# Altium PCB linux-mem.pcbdoc (continued)
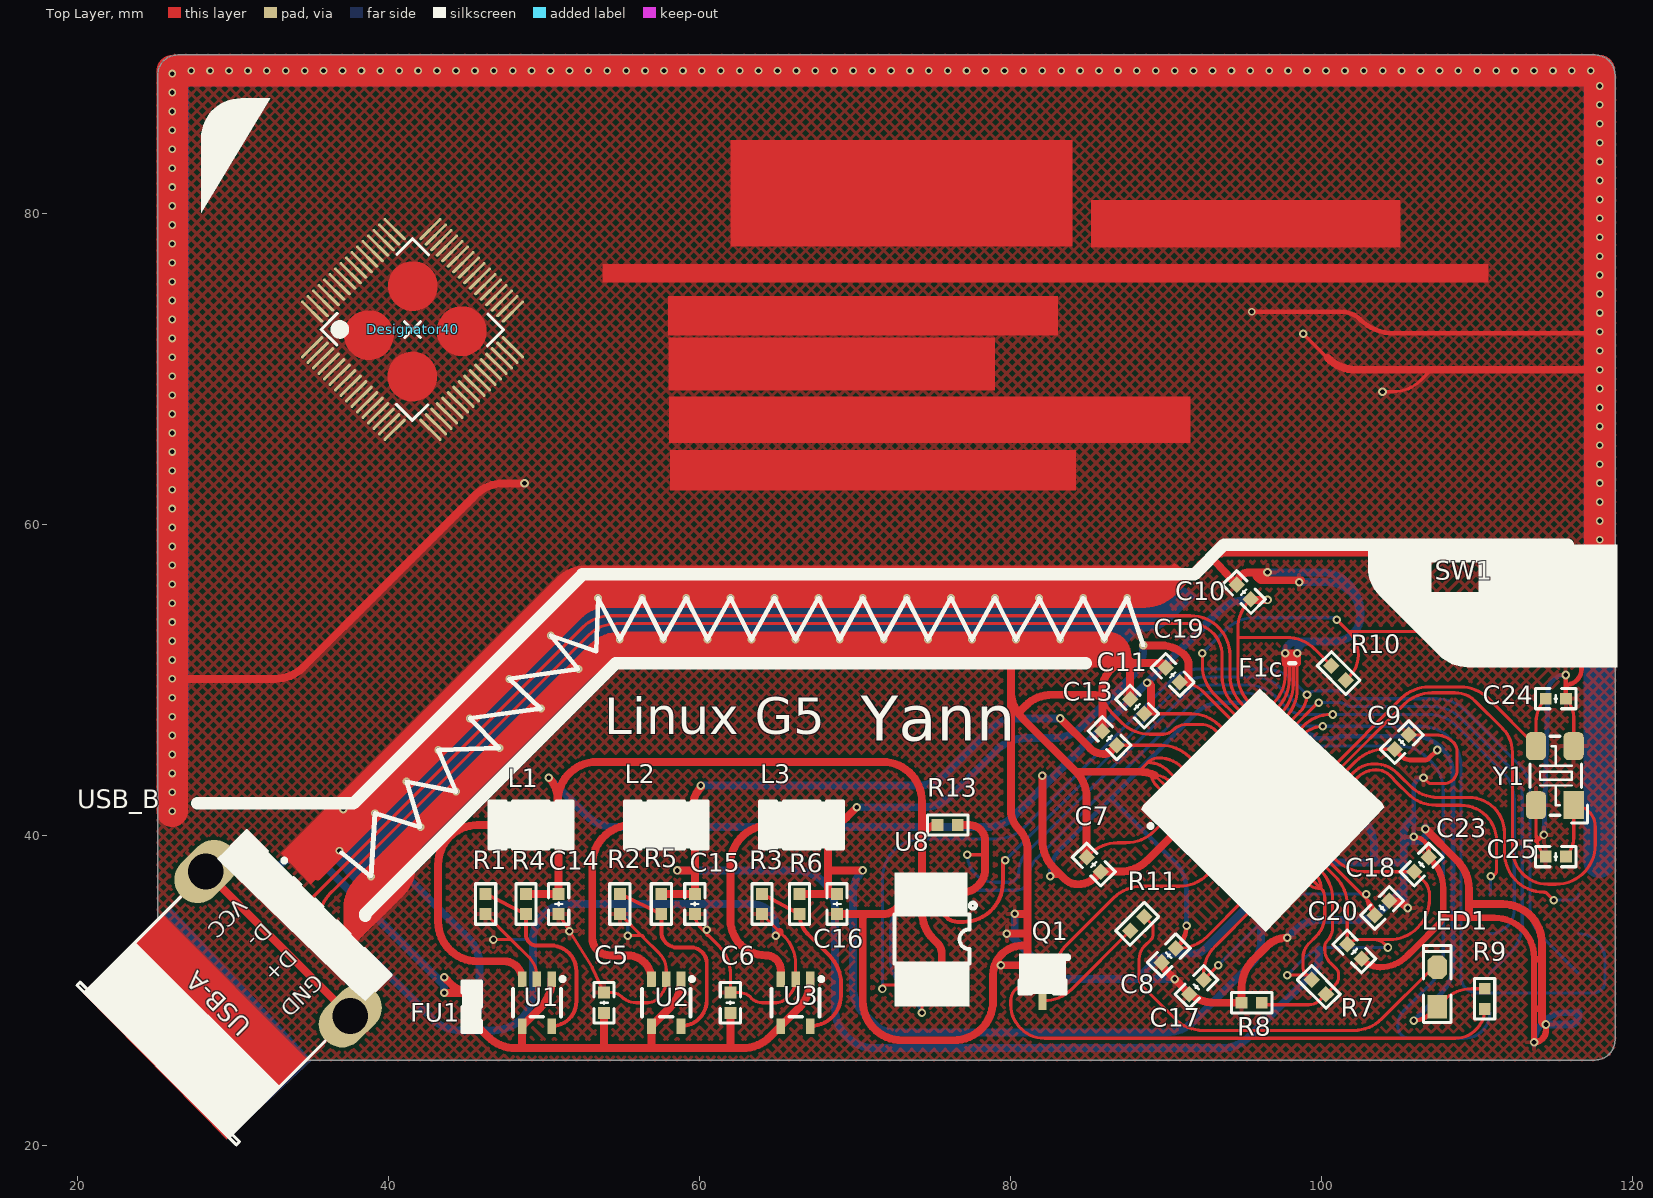
[diagram p0: Top Layer view]
## Nets (pads, with @x,y where several pads share a name; then routed paths per layer and width w, separated by ;. In a path a pad name is that pad's centre, name@x,y a point inside that pad or via, vN(x,y) a via of type N, cw(c..) or ccw(c..) an arc to the next point about the centre after c; other vN are vias at no path point) (continued)
  Top Layer w0.254: U8.4@73.025,36.195 U8.4
  Top Layer w0.305: v2(105.918,39.878) cw(c105.918,38.91) 106.886,38.91 C23.1 ; 113.792,39.624 v2(114.3,40.005) ; v2(115.697,50.292) 115.697,49.657 ; C24.1 cw(c115.712,48.783) 115.697,48.783 115.697,49.657 ; SW1.2 116.713,50.673 cw(c115.697,50.673) 115.697,49.657
  Top Layer w0.406: C20.1 102.675,31.945 ccw(c103.759,33.029) 103.759,31.496 ccw(c103.759,33.949) 105.493,32.214 106.045,32.766 107.554,34.275 ccw(c106.903,34.925) 107.823,34.925 107.823,36.57 ccw(c105.283,36.57) 107.079,38.366 C23.1 ; 107.823,34.671 111.125,34.671 cw(c111.125,32.131) 113.665,32.131 ; 114.173,28.829 113.665,28.829 ; 114.173,32.004 113.792,32.004 cw(c113.792,32.131) 113.665,32.131 ; v2(114.427,27.813) 114.427,27.432 cw(c113.665,27.432) v2(113.665,26.67) 113.665,28.829 ; 113.665,28.829 113.665,32.131
  Top Layer w0.508: USB_B.4@28.236,37.654 USB_B.4@37.527,28.363 ; 35.433,37.338 52.215,54.12 cw(c54.011,52.324) 54.011,54.864 61.214,54.864 88.61,54.864 ccw(c88.61,57.404) 90.406,55.608 90.424,55.626 92.22,57.422 cw(c94.016,55.626) 94.016,58.166 94.869,58.166 114.173,58.166 cw(c114.173,55.626) 116.713,55.626 SW1.2 ; v2(37.084,41.656) 38.264,40.476 cw(c38.047,40.259) 38.354,40.259 ; USB_B.4@37.273,32.45 ccw(c37.116,32.607) 37.338,32.607 37.338,35.306 cw(c39.791,35.306) 38.056,37.04 39.751,38.735 53.104,52.088 cw(c54.9,50.292) 54.9,52.832 66.929,52.832 80.01,52.832 ; v2(64.897,33.528) 65.146,33.772 ; C16.1 70.739,34.91 ; U8.4@73.025,36.195 cw(c71.74,36.195) 71.74,34.91 70.739,34.91 ; v2(79.375,31.623) Q1.2 81.092,39 ccw(c79.132,39) 80.518,40.386 cw(c81.744,41.612) 80.01,41.612 80.01,51.562 ; v2(79.756,33.655) 81.092,33.655 ; v2(80.264,34.925) 81.092,34.925 ; 80.645,48.006 80.943,48.304 cw(c82.677,46.569) 82.677,49.022 85.287,49.022 cw(c85.287,48.155) 85.9,48.768 ; 80.772,32.893 ccw(c80.772,30.988) 78.867,30.988 78.867,29.464 78.867,29.337 cw(c76.327,29.337) 76.327,26.797 74.295,26.797 73.025,26.797 cw(c73.025,29.337) 70.485,29.337 70.485,34.656 cw(c70.739,34.656) 70.739,34.91 ; C7.1 84.884,42.419 ccw(c82.551,42.419) 84.201,44.069 ; C13.1 85.9,48.768 ; 87.63,51.181 cw(c87.63,51.133) 87.678,51.133 ; C11.1 87.678,51.133 ; 89.291,43.836 ccw(c88.229,41.529) 88.229,44.069 84.201,44.069 ; C8.1 ccw(c90.25,31.798) 89.868,31.417 90.297,30.988 v2(90.551,30.734) 91.331,29.954 ccw(c93.127,31.75) 93.127,29.21 R8.2 94.854,30.175 cw(c97.394,30.175) 95.598,31.971 96.139,32.512 96.489,32.862 cw(c97.79,31.561) v2(97.79,33.401) ; C19.1 ccw(c89.662,50.752) 89.662,51.054 ; 92.964,57.785 C10.1 cw(c95.347,56.086) 95.347,56.896 95.758,56.896 ; v2(96.52,56.896) 95.758,56.896 ; 98.044,51.308 98.044,51.435 cw(c98.298,51.435) 98.298,51.689 v2(97.663,51.689) 97.663,51.054 98.425,51.054 v2(98.425,51.689) ; v2(98.552,56.261) cw(c98.679,56.261) 98.679,56.388 96.266,56.388 cw(c96.266,56.896) 95.758,56.896 ; C18.1 104.427,35.766 cw(c104.427,34.196) v2(105.537,35.306) ; v2(106.68,40.386) 108.73,38.336 cw(c106.934,36.54) 109.474,36.54 109.474,35.56 ; 109.474,34.671 109.474,35.56 ; v2(114.427,27.813) cw(c114.427,28.067) 114.173,28.067 114.173,29.21 114.173,33.02 ccw(c111.633,33.02) 111.633,35.56 109.474,35.56 ; 80.01,51.562 80.01,49.312 ccw(c82.55,49.312) 80.754,47.516 84.201,44.069 ; 80.01,51.562 80.01,52.832 ; 80.01,52.832 86.106,52.832 86.233,52.832 cw(c86.233,51.562) 87.503,51.562 ccw(c88.011,51.562) 88.011,51.054 89.662,51.054 ; 85.9,48.768 85.9,49.355 cw(c87.678,49.355) 87.678,51.133 ; 89.662,51.054 89.535,51.054 89.662,51.054
  Bottom Layer w0.203: v2(46.736,33.274) 49.276,33.274 ; 51.562,35.56 v2(51.621,33.812) ; v2(55.372,33.528) 55.372,35.56 ; v2(60.452,33.909) 60.452,35.56
  Bottom Layer w0.305: v2(105.918,39.878) 105.918,43.053 cw(c106.553,43.053) v2(106.553,43.688) ; v2(114.3,40.005) 114.554,49.149 cw(c115.697,49.149) v2(115.697,50.292)
  Bottom Layer w0.406: v2(113.665,26.67) 113.665,26.543 cw(c115.697,26.543) 115.697,28.575 J1.8
  Bottom Layer w0.508: v2(37.084,41.656) 36.957,41.656 ccw(c37.264,41.656) 37.047,41.439 44.831,33.655 45.103,33.383 cw(c43.307,31.587) 45.847,31.587 45.847,29.337 cw(c43.394,29.337) 45.129,27.603 44.958,27.432 ; USB_B.4@37.273,32.45 37.491,32.45 cw(c37.491,29.91) 39.287,31.706 41.529,29.464 42.817,28.176 ccw(c44.613,29.972) 44.613,27.432 44.958,27.432 ; v2(64.897,33.528) 64.897,34.036 ccw(c63.373,34.036) 63.373,35.56 53.975,35.56 51.562,35.56 ccw(c51.562,33.274) 49.276,33.274 49.276,32.131 49.276,29.972 cw(c46.736,29.972) 46.736,27.432 46.355,27.432 44.958,27.432 ; v2(79.375,31.623) 81.71,31.623 cw(c81.71,31.128) 82.06,31.478 ; v2(79.756,33.655) 79.883,33.655 80.391,33.147 ; v2(80.264,34.925) 80.264,33.454 ccw(c80.698,33.454) 80.391,33.147 ; v2(90.551,30.734) 88.138,30.734 ; v3(96.139,41.782) 100.838,41.782 cw(c100.838,39.242) 103.378,39.242 103.378,38.227 ; v2(96.52,56.896) 96.393,56.896 99.949,56.896 cw(c99.949,54.356) 102.489,54.356 102.489,54.102 ; v2(97.663,51.689) cw(c98.425,51.689) 98.425,52.451 100.584,52.451 100.838,52.451 ; v2(97.79,33.401) 98.189,33.8 cw(c99.985,32.004) 99.985,34.544 102.362,34.544 ccw(c102.362,36.69) 103.88,35.173 104.394,35.687 105.066,36.359 cw(c105.283,36.142) 105.283,36.449 ; v2(98.425,51.689) cw(c99.187,51.689) 99.187,52.451 100.838,52.451 ; v2(98.552,56.261) 100.33,56.261 cw(c100.33,54.102) 102.489,54.102 ; 105.283,38.1 105.283,38.227 99.096,38.227 ccw(c99.096,35.687) 97.3,37.483 96.52,36.703 92.471,32.654 cw(c91.821,33.305) 91.821,32.385 90.841,32.385 ccw(c90.841,29.845) 89.045,31.641 88.138,30.734 ; v2(105.537,35.306) cw(c106.15,35.919) 105.283,35.919 105.283,39.37 ; 105.918,41.148 105.552,40.782 ccw(c106.203,40.132) 105.283,40.132 105.283,39.37 ; v2(106.68,40.386) 106.68,40.513 ccw(c106.987,40.513) 106.77,40.296 106.807,40.259 cw(c106.194,40.259) 106.627,39.825 106.426,39.624 105.896,39.624 ccw(c105.896,38.757) 105.283,39.37 ; v2(114.427,27.813) 115.951,27.813 ccw(c115.951,28.377) 116.515,28.377 J1.8 ; 80.391,33.147 82.06,31.478 ; 82.06,31.478 ccw(c83.856,33.274) 83.856,30.734 88.138,30.734 ; 100.838,52.451 ccw(c100.838,54.102) 102.489,54.102 ; 100.838,52.451 ccw(c100.838,54.102) 102.489,54.102
  other v1: 38.862,37.338 36.83,38.989 42.037,40.513 39.116,41.402 44.323,42.799 41.148,43.434 43.18,45.466 47.117,45.593 45.212,47.498 49.784,48.133 47.752,50.038 52.197,50.673 54.864,52.578 57.658,52.578 60.494,52.578 63.331,52.578 66.167,52.578 69.003,52.578 71.84,52.578 74.676,52.578 77.512,52.578 80.349,52.578 83.185,52.578 86.021,52.578 50.419,52.832 53.467,55.245 56.303,55.245 59.14,55.245 61.976,55.245 64.812,55.245 67.649,55.245 70.485,55.245 73.321,55.245 76.158,55.245 78.994,55.245 81.83,55.245 84.667,55.245 87.503,55.245 95.504,73.66
JTAG_TCK: F1c.53
JTAG_TDI: F1c.57
JTAG_TDO: F1c.55
JTAG_TMS: F1c.58
NetF1c_33: F1c.33 R7.2 R8.1 | length 14
  Top Layer w0.203: R8.1 ccw(c96.461,29.517) 96.461,29.083 99.187,29.083 ccw(c99.187,30.076) 99.889,29.374 R7.2 100.891,30.376 ccw(c100.406,30.861) 101.092,30.861 101.092,31.062 ccw(c100.658,31.062) 100.965,31.369 100.562,31.772 cw(c101.429,32.639) 100.203,32.639 100.203,32.84 cw(c100.637,32.84) 100.33,33.147 ccw(c99.41,34.067) 100.711,34.067 100.711,34.163 100.711,35.876 ccw(c98.171,35.876) 99.967,37.672 F1c.33
NetL1_1: L1.1 U1.3 | length 16.9
  Top Layer w0.508: L1.1 45.72,40.64 ccw(c45.72,38.1) 43.18,38.1 43.18,36.576 43.18,34.417 ccw(c45.72,34.417) 45.72,31.877 46.863,31.877 47.413,31.877 cw(c47.413,30.71) U1.3
NetL2_1: L2.1 U2.3 | length 14.5
  Top Layer w0.508: L2.1 55.626,40.64 ccw(c55.626,38.1) 53.086,38.1 53.086,36.703 53.086,33.401 ccw(c54.229,33.401) 54.229,32.258 55.35,32.258 cw(c55.35,30.71) U2.3
NetL3_1: L3.1 U3.3 | length 13.5
  Top Layer w0.508: L3.1 64.516,40.64 ccw(c64.516,38.1) 61.976,38.1 61.976,35.814 61.976,34.544 ccw(c64.262,34.544) 64.262,32.258 cw(c64.262,31.303) 65.217,31.303 U3.3
NetLED1_2: LED1.2 R11.2 | length 26.6
  Top Layer w0.203: R11.2 89.133,34.214 cw(c89.081,34.163) 89.154,34.163 89.154,33.581 cw(c88.72,33.581) 89.027,33.274 88.624,32.871 ccw(c89.491,32.004) 88.265,32.004 88.265,30.839 ccw(c89.132,30.839) 88.519,30.226 90.569,28.176 ccw(c92.365,29.972) 92.365,27.432 93.726,27.432 102.072,27.432 ccw(c102.072,29.972) 103.868,28.176 107.008,31.316 cw(c107.442,30.883) LED1.2
NetQ1_3: Q1.3 R11.1 | length 7.4
  Top Layer w0.203: Q1.3 82.133,29.337 ccw(c82.133,31.877) 83.929,30.081 R11.1
NetR1_1: R1.1 R4.1 U1.5 | length 13.2
  Top Layer w0.254: R1.1 R4.1 48.831,33.591 ccw(c49.53,33.591) 49.53,32.893 50.419,32.893 cw(c50.419,31.242) 52.07,31.242 52.07,29.3 cw(c50.48,29.3) U1.5
NetR2_1: R2.1 R5.1 U2.5 | length 13.2
  Top Layer w0.254: R2.1 R5.1 57.531,33.782 ccw(c58.547,33.782) 58.547,32.766 59.436,32.766 cw(c59.436,31.75) 60.452,31.75 60.452,29.363 cw(c58.799,29.363) U2.5
NetR3_1: R3.1 R6.1 U3.5 | length 12
  Top Layer w0.254: R3.1 R6.1 ccw(c68.224,34.91) 66.949,33.635 68.344,32.24 cw(c66.548,30.444) 69.088,30.444 69.088,29.681 cw(c67.117,29.681) U3.5
RESET: F1c.70 J1.7 R10.1 SW1.1 | length 65.2
  Top Layer w0.203: v2(92.329,51.689) 92.329,50.888 ccw(c94.869,50.888) 93.073,49.092 F1c.70 95.667,46.498 ccw(c96.012,46.843) v2(96.012,46.355) ; v2(100.965,53.848) 101.733,53.08 ; R10.1 101.802,50.209 ccw(c100.449,51.562) 102.362,51.562 ccw(c100.216,51.562) 101.733,53.08 ; SW1.1 cw(c108.506,53.467) 108.506,53.08 101.733,53.08
  Bottom Layer w0.203: v2(92.329,51.689) 93.871,53.231 cw(c95.667,51.435) 95.667,53.975 99.187,53.975 100.965,53.975 v2(100.965,53.848) ; v2(96.012,46.355) ccw(c97.545,47.888) 97.545,45.72 101.219,45.72 103.088,45.72 104.993,45.72 cw(c104.993,43.18) 106.789,44.976 107.061,44.704 107.079,44.686 cw(c105.283,42.89) 107.823,42.89 107.823,40.985 107.823,37.211 107.823,32.294 cw(c105.283,32.294) 107.079,30.498 105.283,28.702 ccw(c106.203,27.782) 104.902,27.782 104.902,27.686 ccw(c105.664,27.686) 105.664,26.924 108.712,26.924 109.164,26.924 ccw(c109.164,28.575) J1.7
SCL: F1c.38
SDA: F1c.37
SPI_CLK: F1c.59 J1.4 U8.6 | length 83.3
  Top Layer w0.203: v2(74.295,28.575) U8.6 ; F1c.59 98.865,46.488 cw(c100.076,45.277) v2(100.076,46.99)
  Bottom Layer w0.203: v2@74.237,28.561 ccw(c72.149,28.067) 73.666,29.585 73.66,29.591 73.007,30.244 cw(c74.803,32.04) 72.263,32.04 72.263,33.401 72.263,33.909 cw(c74.803,33.909) 74.803,36.449 80.391,36.449 ccw(c80.391,37.211) 81.153,37.211 cw(c82.993,37.211) 81.692,38.512 87.63,44.45 92.149,48.969 cw(c92.583,48.536) 92.583,49.149 94.96,49.149 cw(c94.96,46.609) 96.756,48.405 96.774,48.387 97.427,47.734 ccw(c99.223,49.53) 99.223,46.99 v2(100.076,46.99) 106.426,46.99 cw(c106.426,44.45) 108.966,44.45 108.966,30.861 ccw(c109.982,30.861) 109.982,29.845 117.475,29.845 ccw(c117.475,30.607) 118.237,30.607 118.237,31.933 ccw(c116.515,31.933) J1.4
SPI_CS: F1c.60 J1.3 R13.2 U8.1 | length 65.1
  Top Layer w0.203: v2(77.216,38.735) 78.359,38.735 ; F1c.60 98.841,47.03 cw(c100.584,45.287) 100.584,47.752 v2(100.711,47.752)
  Top Layer w0.508: R13.2 77.343,40.64 cw(c77.343,39.624) 78.359,39.624 78.359,37.821 cw(c76.835,37.821) U8.1
  Bottom Layer w0.203: v2(77.216,38.735) ccw(c78.994,38.735) 78.994,36.957 79.502,36.957 79.883,36.957 ccw(c79.883,37.592) 80.518,37.592 cw(c82.358,37.592) 81.057,38.893 81.135,38.971 88.646,46.482 91.282,49.118 cw(c92.583,47.817) 92.583,49.657 95.214,49.657 cw(c95.214,47.117) 97.01,48.913 97.155,48.768 97.722,48.201 ccw(c98.806,49.285) 98.806,47.752 v2(100.711,47.752) 106.898,47.752 cw(c106.898,45.212) 108.694,47.008 110.49,45.212 111.651,44.051 cw(c109.855,42.255) 112.395,42.255 112.395,35.235 cw(c110.815,35.235) J1.3
SPI_MISO: F1c.61 J1.5 U8.2 | length 64.6
  Top Layer w0.203: F1c.61 99.715,48.469 cw(c99.822,48.362) v2(99.822,48.514)
  Top Layer w0.254: U8.2 75.565,35.433 ccw(c76.581,35.433) 76.581,34.417 76.962,34.417 ccw(c76.962,36.957) 79.502,36.957 v2@79.502,38.481
  Bottom Layer w0.203: v2(79.644,38.369) 89.027,47.752 90.696,49.421 cw(c92.492,47.625) 92.492,50.165 93.98,50.165 95.595,50.165 cw(c95.595,47.625) 97.391,49.421 97.79,49.022 98.462,48.35 ccw(c98.679,48.567) 98.679,48.26 99.209,48.26 ccw(c99.209,49.127) v2(99.822,48.514) 101.114,48.514 cw(c101.114,47.647) 101.727,48.26 104.394,48.26 107.152,48.26 cw(c107.152,45.72) 108.948,47.516 109.474,46.99 112.159,44.305 cw(c110.363,42.509) 112.903,42.509 112.903,41.148 112.903,34.255 cw(c110.363,34.255) 112.159,32.459 J1.5
SPI_MOSI: F1c.62 J1.6 U8.5 | length 75
  Top Layer w0.203: v2(71.755,30.099) 71.755,30.353 72.923,30.353 cw(c72.923,30.251) U8.5 ; F1c.62 98.607,47.927 ccw(c97.512,49.022) v2(99.06,49.022)
  Bottom Layer w0.203: v2(71.755,30.099) 71.755,37.211 cw(c74.295,37.211) 74.295,39.751 78.994,39.751 79.085,39.751 ccw(c79.085,42.291) 80.881,40.495 82.804,42.418 90.341,49.955 cw(c92.075,48.22) 92.075,50.673 96.357,50.673 cw(c96.357,48.133) 98.153,49.929 v2(99.06,49.022) cw(c99.673,48.409) 99.673,49.276 99.949,49.276 100.934,49.276 cw(c100.934,47.975) 101.854,48.895 ccw(c102.161,49.202) 102.161,48.768 102.616,48.768 105.029,48.768 107.406,48.768 cw(c107.406,46.228) 109.202,48.024 109.982,47.244 112.667,44.559 cw(c110.871,42.763) 113.411,42.763 113.411,42.037 113.411,35.271 ccw(c115.951,35.271) 114.155,33.475 J1.6
STATUS: F1c.13 Q1.1 R9.1 | length 49.9
  Top Layer w0.203: F1c.13 92.652,37.447 cw(c90.856,39.243) 90.856,36.703 89.408,36.703 88.428,36.703 ccw(c88.428,34.163) 86.632,35.959 85.471,34.798 83.484,32.811 ccw(c84.672,31.623) Q1.1 82.214,30.845 cw(c81.026,32.033) 81.026,30.353 ccw(c81.026,29.337) 80.01,29.337 80.01,29.083 ccw(c82.169,29.083) 82.169,26.924 93.853,26.924 108.6,26.924 ccw(c108.6,28.814) R9.1
UART_RX: F1c.49 J1.2 | length 20.6
  Top Layer w0.203: F1c.49 102.066,44.033 cw(c103.378,42.721) 103.378,44.577 cw(c103.378,42.431) 104.896,43.948 105.156,43.688 105.682,43.162 ccw(c107.478,44.958) 107.478,42.418 109.474,42.418 cw(c109.474,40.132) 111.76,40.132 111.76,39.624 111.76,38.862 ccw(c114.3,38.862) 114.3,36.322 cw(c114.3,36.015) 114.517,36.232 v2(114.935,35.814)
  Bottom Layer w0.203: v2(114.935,35.814) 116.134,35.814 ccw(c116.134,36.195) J1.2
UART_TX: F1c.48 J1.1 | length 15.7
  Top Layer w0.203: F1c.48 102.294,43.695 cw(c103.505,42.484) 103.505,44.196 cw(c103.505,42.97) 104.372,43.837 104.902,43.307 105.555,42.654 ccw(c107.351,44.45) 107.351,41.91 108.077,41.91 108.966,41.91 cw(c108.966,39.624) 111.252,39.624 111.252,37.719 cw(c110.871,37.719) v2(110.871,37.338)
  Bottom Layer w0.203: J1.1 ccw(c110.815,36.251) 110.871,36.251 v2(110.871,37.338)
USB_DN: F1c.68 USB_B.2 | length 73
  Top Layer w0.203: USB_B.2 ccw(c34.091,37.207) 35.204,36.093 52.469,53.358 cw(c54.265,51.562) 54.265,54.102 88.011,54.102 91.567,54.102 cw(c91.567,51.562) 94.107,51.562 94.107,51.181 94.107,50.242 ccw(c96.647,50.242) 94.851,48.446 F1c.68
USB_DP: F1c.69 USB_B.3 | length 72.3
  Top Layer w0.203: USB_B.3 35.505,34.453 cw(c38.045,34.453) 36.249,36.249 36.576,36.576 38.925,38.925 52.85,52.85 cw(c54.646,51.054) 54.646,53.594 87.884,53.594 91.567,53.594 cw(c91.567,51.562) 93.599,51.562 93.599,50.184 ccw(c96.139,50.184) 94.343,48.388 F1c.69
USB_VBUS: FU1.1 USB_B.1 | length 19.5
  Top Layer w0.508: v2(43.561,29.845) FU1.1 ; v2(43.561,30.861) 44.091,30.331 ccw(c44.958,31.198) FU1.1@44.958,29.972
  Bottom Layer w0.508: USB_B.1 32.905,37.982 cw(c34.417,36.47) 34.417,38.608 cw(c34.417,36.462) 35.935,37.979 43.561,30.353 ; v2(43.561,29.845) 43.561,30.353 ; v2(43.561,30.861) 43.561,30.353
pads on no net: Designator40.1 Designator40.2 Designator40.3 Designator40.4 Designator40.5 Designator40.6 Designator40.7 Designator40.8 Designator40.9 Designator40.10 Designator40.11 Designator40.12 Designator40.13 Designator40.14 Designator40.15 Designator40.16 Designator40.17 Designator40.18 Designator40.19 Designator40.20 Designator40.21 Designator40.22 Designator40.23 Designator40.24 Designator40.25 Designator40.26 Designator40.27 Designator40.28 Designator40.29 Designator40.30 Designator40.31 Designator40.32 Designator40.33 Designator40.34 Designator40.35 Designator40.36 Designator40.37 Designator40.38 Designator40.39 Designator40.40 Designator40.41 Designator40.42 Designator40.43 Designator40.44 Designator40.45 Designator40.46 Designator40.47 Designator40.48 Designator40.49 Designator40.50 Designator40.51 Designator40.52 Designator40.53 Designator40.54 Designator40.55 Designator40.56 Designator40.57 Designator40.58 Designator40.59 Designator40.60 Designator40.61 Designator40.62 Designator40.63 Designator40.64 F1c.1 F1c.3 F1c.6 F1c.7 F1c.8 F1c.9 F1c.10 F1c.11 F1c.12 F1c.14 F1c.15 F1c.16 F1c.17 F1c.18 F1c.19 F1c.21 F1c.23 F1c.24 F1c.25 F1c.26 F1c.27 F1c.28 F1c.29 F1c.39 F1c.40 F1c.41 F1c.42 F1c.43 F1c.44 F1c.45 F1c.46 F1c.47 F1c.54 F1c.56 F1c.72 F1c.75 F1c.76 F1c.77 F1c.78 F1c.79 F1c.81 F1c.83 F1c.88
copper on no net: | length 450.4
  Top Layer w0.203: v2(98.826,72.245) 100.396,70.675 ; v2(103.916,68.505) 104.582,68.505 ccw(c104.582,71.045) 106.378,69.248 107.061,69.931
  Top Layer w0.3: 95.504,73.66 101.263,73.66 cw(c101.263,71.926) 102.489,73.152 ccw(c104.635,75.298) 104.635,72.263 v1@117.865,72.263
  Top Layer w0.5: 100.396,70.675 ccw(c102.192,72.471) 102.192,69.931 107.061,69.931 v1(117.894,69.931)
  Top Layer w0.508: v1(26.076,50.044) 32.701,50.044 ccw(c32.701,52.584) 34.497,50.788 39.63,55.92 45.576,61.867 cw(c47.372,60.071) 47.372,62.611 48.768,62.611 ccw(c48.735,62.578) 48.735,62.625 v2(48.731,62.625)
  Top Layer w1.6: 39.523,72.151 ccw(c38.723,72.151) 39.523,72.151 ; 42.317,69.484 ccw(c41.517,69.484) 42.317,69.484 ; 42.349,75.303 ccw(c41.549,75.303) 42.349,75.303 ; 45.492,72.405 ccw(c44.692,72.405) 45.492,72.405
  Top Layer w2: v1(26.076,41.529) 26.076,89.154 117.865,89.154 v1@117.865,58.955
  Bottom Layer w2: v1@26.162,45.085 26.162,89.154 117.856,89.154 117.856,38.227
  other v1: 26.076,42.745 26.076,43.962 26.076,45.178 26.076,46.395 26.076,47.611 26.076,48.828 26.076,48.828 26.076,50.044 26.076,51.261 26.076,51.261 26.076,52.477 26.076,52.477 26.076,53.693 26.076,54.91 26.076,56.126 26.076,57.343 26.076,58.559 117.894,58.983 26.076,59.776 117.894,60.2 26.076,60.992 26.076,60.992 117.894,61.416 26.076,62.209 26.076,62.209 117.894,62.632 26.076,63.425 26.076,63.425 117.894,63.849 26.076,64.641 26.076,64.641 117.894,65.065 26.076,65.858 26.076,65.858 26.076,65.858 117.894,66.282 117.894,66.282 26.076,67.074 26.076,67.074 26.076,67.074 117.894,67.498 117.894,67.498 26.076,68.291 117.894,68.715 117.894,68.715 26.076,69.507 117.894,69.931 26.076,70.724 117.894,71.148 26.076,71.94 117.894,72.364 26.076,73.157 117.894,73.58 26.076,74.373 117.894,74.797 26.076,75.589 117.894,76.013 26.076,76.806 117.894,77.23 26.076,78.022 117.894,78.446 117.894,78.446 26.076,79.239 117.894,79.663 117.894,79.663 26.076,80.455 117.894,80.879 117.894,80.879 26.076,81.672 117.894,82.096 117.894,82.096 26.076,82.888 26.076,82.888 117.894,83.312 117.894,83.312 117.894,83.312 26.076,84.105 26.076,84.105 117.894,84.528 117.894,84.528 117.894,84.528 26.076,85.321 26.076,85.321 117.894,85.745 26.076,86.537 26.076,86.537 117.894,86.961 26.076,87.754 117.894,88.178 26.076,88.97 27.293,89.154 28.509,89.154 29.726,89.154 30.942,89.154 32.158,89.154 33.375,89.154 33.375,89.154 34.591,89.154 34.591,89.154 35.808,89.154 35.808,89.154 37.024,89.154 37.024,89.154 38.241,89.154 39.457,89.154 40.674,89.154 41.89,89.154 43.106,89.154 44.323,89.154 45.539,89.154 45.539,89.154 46.756,89.154 46.756,89.154 47.972,89.154 47.972,89.154 49.189,89.154 49.189,89.154 50.405,89.154 50.405,89.154 50.405,89.154 51.622,89.154 51.622,89.154 51.622,89.154 52.838,89.154 54.054,89.154 55.271,89.154 56.487,89.154 57.704,89.154 58.92,89.154 60.137,89.154 61.353,89.154 62.57,89.154 63.786,89.154 65.002,89.154 66.219,89.154 67.435,89.154 67.435,89.154 68.652,89.154 68.652,89.154 69.868,89.154 69.868,89.154 71.085,89.154 71.085,89.154 72.301,89.154 73.518,89.154 74.734,89.154 75.95,89.154 77.167,89.154 78.383,89.154 79.6,89.154 79.6,89.154 80.816,89.154 80.816,89.154 82.033,89.154 82.033,89.154 83.249,89.154 83.249,89.154 84.466,89.154 84.466,89.154 84.466,89.154 85.682,89.154 85.682,89.154 85.682,89.154 86.898,89.154 88.115,89.154 89.331,89.154 90.548,89.154 91.764,89.154 92.981,89.154 94.197,89.154 95.414,89.154 96.63,89.154 97.846,89.154 99.063,89.154 100.279,89.154 101.496,89.154 101.496,89.154 102.712,89.154 102.712,89.154 103.929,89.154 103.929,89.154 105.145,89.154 105.145,89.154 106.362,89.154 107.578,89.154 108.794,89.154 110.011,89.154 111.227,89.154 112.444,89.154 113.66,89.154 113.66,89.154 114.877,89.154 114.877,89.154 116.093,89.154 116.093,89.154 117.31,89.154 117.31,89.154

## Polygon pours and split planes (outlines as drawn)
GND on Top Layer "Mechanical 1-No Net" (hatched 45Degree grid 0.508 track 0.203, pour order 1000): 25.146,26.797 25.146,88.9 cw(c26.416,88.9) 26.416,90.17 117.602,90.17 cw(c117.602,88.9) 118.872,88.9 118.872,26.797 cw(c117.602,26.797) 117.602,25.527 26.416,25.527 cw(c26.416,26.797)
GND on Bottom Layer "Mechanical 1-No Net" (hatched 90Degree grid 0.508 track 0.203, pour order 1001): 25.146,26.797 25.146,88.9 cw(c26.416,88.9) 26.416,90.17 117.602,90.17 cw(c117.602,88.9) 118.872,88.9 118.872,26.797 cw(c117.602,26.797) 117.602,25.527 26.416,25.527 cw(c26.416,26.797)

## Other copper
Top Layer:
  rectangle net GND: 61.976,77.851 83.977,84.695
  rectangle net GND: 85.163,77.783 105.083,80.853
  rectangle net GND: 53.749,75.534 110.736,76.739
  rectangle net GND: 58.104,62.146 84.201,64.77
  rectangle net GND: 58.036,65.22 91.567,68.199
  rectangle net GND: 58.008,68.58 78.994,72.009
  rectangle net GND: 57.963,72.136 83.058,74.676
  region: 34.994,36.848 42.432,44.337 52.215,54.12 53.721,54.864 88.9,54.864 89.916,55.245 91.584,56.786 90.51,57.484 90.353,57.327 52.632,57.327 ccw(c52.632,54.787) 50.836,56.583 33.09,38.838
  region: 37.273,32.45 40.982,36.16 ccw(c39.186,37.956) 41.726,37.956 41.726,38.018 cw(c43.74,38.018) 42.316,39.442 52.93,50.056 cw(c54.726,48.26) 54.726,50.8 87.678,50.8 ccw(c85.342,50.8) 86.994,52.452 86.868,52.578 ccw(c86.255,51.965) 86.255,52.832 54.9,52.832 ccw(c54.9,50.292) 53.104,52.088 38.082,37.066 ccw(c39.878,35.27) 37.338,35.27 37.338,32.893
  region: 29.591,20.447 20.32,29.845 25.472,34.876 34.798,25.527
Bottom Layer:
  region: 38.1,41.656 51.834,55.39 cw(c53.63,53.594) 53.63,56.134 90.134,56.134 cw(c90.134,53.594) 91.93,55.39 91.948,55.372 90.406,53.83 cw(c88.61,55.626) 88.61,53.086 88.392,53.086 ccw(c88.392,52.779) 88.175,52.996 86.995,51.816 cw(c85.769,53.042) 85.769,51.308 56.17,51.308 ccw(c56.17,48.768) 54.374,50.564 41.656,37.846
  region: 36.576,40.005 39.116,42.545 39.116,41.529 42.164,38.481 40.259,36.576 39.878,36.576
  region: 35.687,39.116 37.106,40.59 40.168,37.527 38.636,36.068
  region: 20.574,29.845 25.908,35.433 35.052,25.527 29.591,20.447

## Silkscreen, mask and mechanical layers (free items; w line width, h text height)
Top Overlay:
  rectangle: 46.482,39.116 51.816,42.164
  rectangle: 55.181,39.116 60.515,42.164
  rectangle: 63.881,39.116 69.215,42.164
  rectangle: 72.517,34.874 77.216,37.592
  rectangle: 72.517,28.956 77.343,31.725
  rectangle: 80.543,29.78 83.566,32.385
  rectangle: 44.704,27.305 45.974,30.607
  rectangle: 106.807,57.531 110.363,58.674
  region: 102.997,58.674 102.997,57.186 ccw(c105.537,57.186) 103.741,55.39 107.587,51.544 ccw(c109.383,53.34) 109.383,50.8 118.999,50.8 118.999,58.674 110.109,58.674 110.109,55.626 107.061,55.626 107.061,58.674
  region: 27.94,80.01 27.94,84.836 cw(c30.48,84.836) 30.48,87.376 32.385,87.376
  region: 88.519,41.91 96.012,49.403 103.886,42.037 104.013,41.783 96.393,33.782 88.392,41.656
  region: 30.635,40.046 28.956,38.481 37.592,30.099 38.481,29.337 40.154,30.997 30.87,40.281
  region: 20.448,29.827 29.716,20.559 32.928,23.77 23.643,33.055
  lines w0.3: 36.957,38.862 38.862,37.338 39.116,41.402 42.037,40.513 41.148,43.434 44.323,42.799 43.18,45.466 47.117,45.593 45.212,47.498 49.784,48.133 47.752,50.038 52.197,50.673 50.419,52.832 53.34,51.816 53.467,55.245 54.864,52.578 56.303,55.245 57.658,52.578 59.14,55.245 60.494,52.578 61.976,55.245 63.331,52.578 64.812,55.245 66.167,52.578 67.649,55.245 69.003,52.578 70.485,55.245 71.84,52.578 73.321,55.245 74.676,52.578 76.158,55.245 77.512,52.578 78.994,55.245 80.349,52.578 81.866,55.175 ; 81.83,55.245 83.185,52.578 84.667,55.245 86.021,52.578 87.503,55.245 88.519,52.197 ; 97.917,51.054 98.298,51.054
  lines w0.8: 27.686,42.037 37.719,42.037 52.451,56.769 91.821,56.769 93.726,58.674 115.824,58.674 ; 38.481,34.798 38.481,34.925 54.61,51.054 84.836,51.054
  text "Linux G5" at 53.848,45.72 h4
  text "Yann" at 70.358,45.085 h5
Bottom Overlay:
  rectangle: 109.728,27.178 112.014,37.592
  rectangle: 115.316,27.178 117.729,37.592
  region: 118.999,90.551 118.745,90.297 118.745,78.486 108.966,68.707 108.839,68.834 108.839,77.978 90.551,59.69 90.551,73.025 81.661,64.135 81.661,83.185 62.23,63.754 62.103,63.881 62.103,74.676 47.752,60.325 47.625,60.452 47.625,77.343 36.322,66.04 36.322,78.867 26.035,68.58 25.146,69.469 25.146,89.916
  text "MEMHOT 2020-05-18" at 88.773,58.293 h4
  text "Micro Computer Card" at 87.757,48.387 h4
Top Solder:
  lines w0.3: 26.924,50.038 32.512,50.038 ccw(c32.512,53.104) 34.68,50.936 45.47,61.726 cw(c47.639,59.558) 47.639,62.625 48.731,62.625 ; 95.504,73.66 101.083,73.66 cw(c101.083,71.492) 102.616,73.025 ccw(c104.456,74.865) 104.456,72.263 117.221,72.263 ; 98.826,72.245 100.323,70.748 ccw(c102.491,72.916) 102.491,69.85 117.475,69.85 ; 103.916,68.505 104.446,68.505 ccw(c104.446,71.571) 106.614,69.403 107.061,69.85
  lines w0.8: 54.483,76.2 110.109,76.2
  lines w2: 26.076,41.529 26.076,89.154 117.894,89.154 117.894,58.983
  text "Yann" at 62.357,78.232 h8
  text "刘原" at 85.344,78.232 h3
  text "萌" at 40.132,74.168 h3
  text "Tel：+86-18813020978" at 58.045,72.263 h3
  text "片" at 43.307,71.247 h3
  text "名" at 37.338,71.12 h3
  text "Web：yuanquanquan.top" at 58.045,69.215 h3
  text "妹" at 40.386,68.326 h3
  text "Mail：yuanquanquan29@gmail.com" at 58.045,65.532 h3
  text "Address：帝都朝阳区" at 58.039,62.103 h3
Bottom Solder:
  lines w2: 26.076,41.529 26.076,89.154 117.894,89.154 117.894,58.983
Mechanical 1:
  lines w0.2: 20.447,29.845 25.146,34.544 25.146,88.9 cw(c26.416,88.9) 26.416,90.17 28.321,90.17 117.602,90.17 cw(c117.602,88.9) 118.872,88.9 118.872,26.797 cw(c117.602,26.797) 117.602,25.527 34.798,25.527 29.718,20.574 20.447,29.845

## Text inside footprints (layer, text, board x,y; h text height)
J1: Bottom Overlay "2" at 115.443,38.608 h1.02 r90; Bottom Overlay "1" at 112.903,38.354 h1.02 r90; Bottom Overlay "7" at 112.903,26.797 h1.02 r90; Bottom Overlay "8" at 115.443,26.924 h1.02 r90
USB_B: Top Overlay "USB-A" at 31.528,28.074 h2.03 r135; Top Overlay "VCC" at 30.286,36.033 h1.02 r225; Top Overlay "D-" at 31.903,34.417 h1.02 r225; Top Overlay "D+" at 33.519,32.674 h1.02 r225; Top Overlay "GND" at 35.188,31.132 h1.02 r225